# KiCad board control.kicad_pcb (continued)
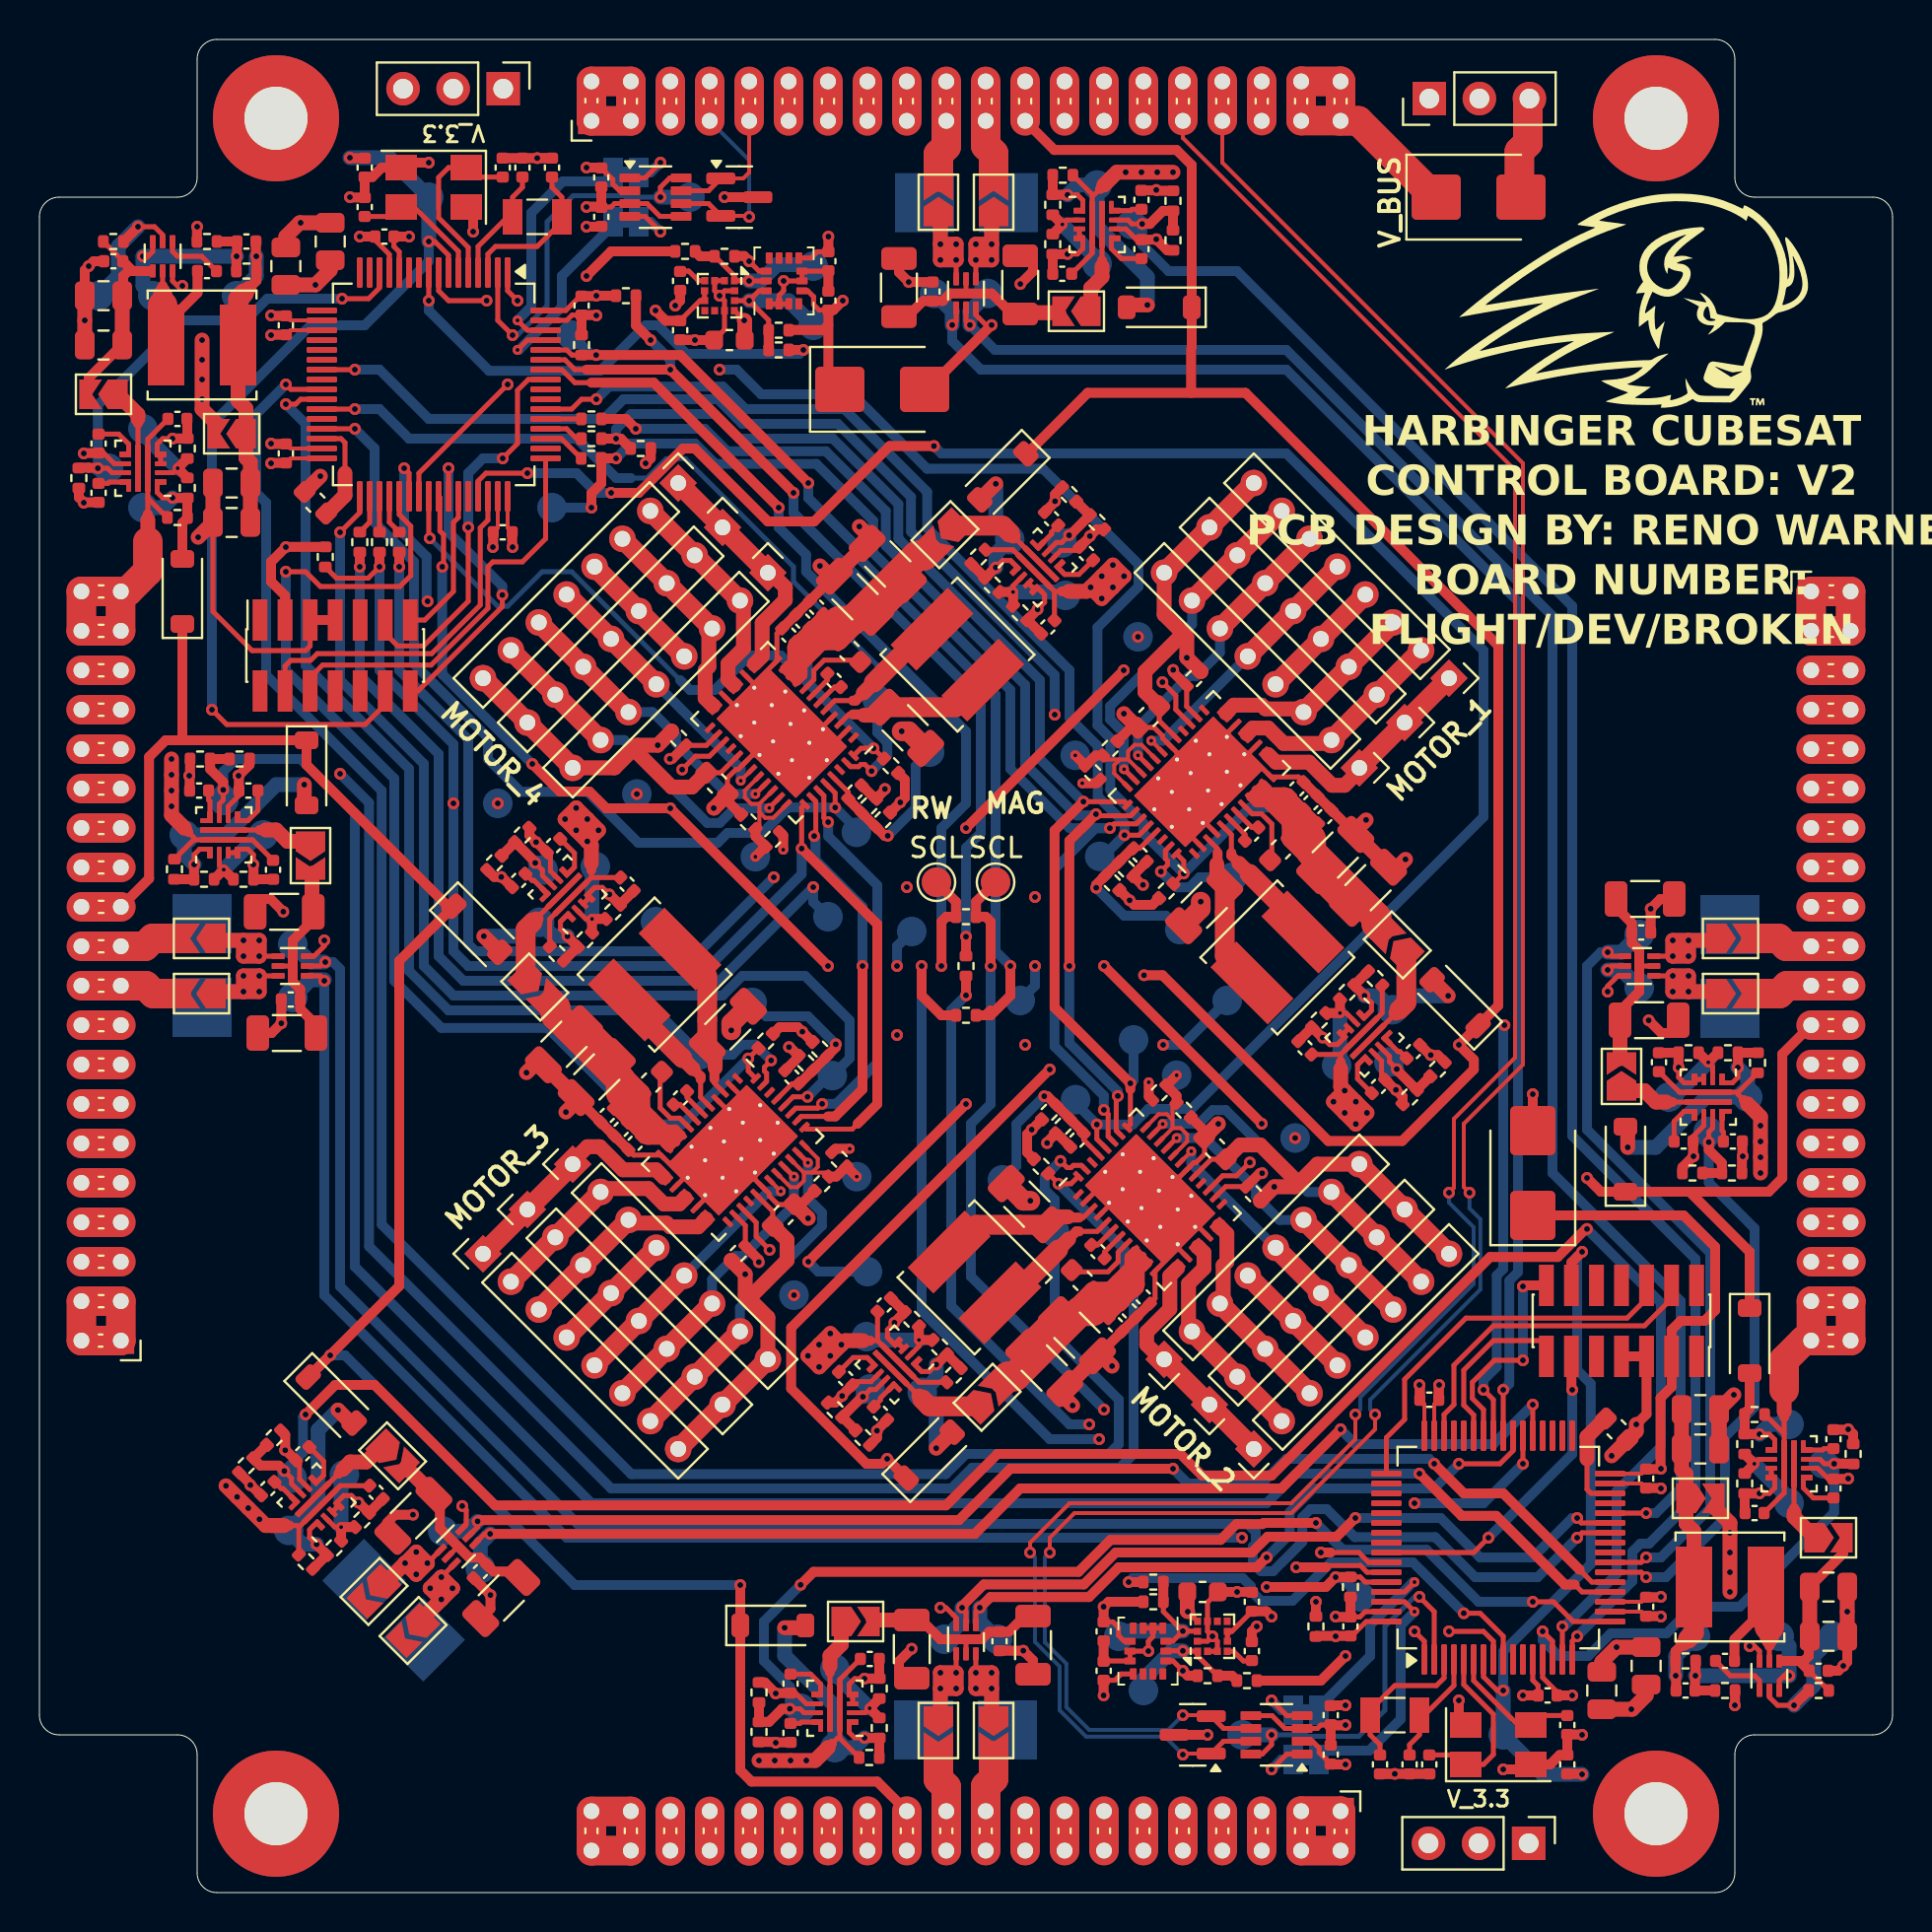
[diagram p0: board, top side]
## Nets (continued)
/REACTION WHEELS/PB13: R11.1 U25.34
/REACTION WHEELS/PB14: R9.1 U25.35
/REACTION WHEELS/PB15: R10.1 U25.36
/REACTION WHEELS/PC0: R19.1 U25.8
/REACTION WHEELS/PC1: R20.1 U25.9
/REACTION WHEELS/PC2: U25.10
/REACTION WHEELS/PC3: U25.11
/REACTION WHEELS/PC4: U25.24
/REACTION WHEELS/PC10: R14.1 U25.51
/REACTION WHEELS/PC11: R12.1 U25.52
/REACTION WHEELS/PC12: R13.1 U25.53
/REACTION WHEELS/PC13: TP95.1 U25.2 U26.8
/REACTION WHEELS/PC14: C113.1 U25.3 Y2.2
/REACTION WHEELS/PC15: C112.1 U25.4 Y2.1
/REACTION WHEELS/PH0: C114.1 U25.5 Y1.1
/REACTION WHEELS/PH1: C115.2 U25.6 Y1.3
/REACTION WHEELS/PH3: R4.2 R99.1 TP94.1 U25.60
/REACTION WHEELS/REACTION_WHEEL_1/BLDC_MOTOR_DRIVER/HALL.A: J8.5 J9.5 J10.5 U4.27
/REACTION WHEELS/REACTION_WHEEL_1/BLDC_MOTOR_DRIVER/HALL.B: J8.7 J9.7 J10.7 U4.31
/REACTION WHEELS/REACTION_WHEEL_1/BLDC_MOTOR_DRIVER/HALL.C: J8.6 J9.6 J10.6 U4.29
/REACTION WHEELS/REACTION_WHEEL_1/BLDC_MOTOR_DRIVER/HALL.N: R24.2 R25.1 TP17.1 U4.28 U4.30 U4.32
/REACTION WHEELS/REACTION_WHEEL_1/BLDC_MOTOR_DRIVER/ILIM: C10.1 R26.2 R27.1 TP18.1 U4.37
/REACTION WHEELS/REACTION_WHEEL_1/BLDC_MOTOR_DRIVER/MOTOR.A: J8.1 J9.1 J10.1 U4.13 U4.14
/REACTION WHEELS/REACTION_WHEEL_1/BLDC_MOTOR_DRIVER/MOTOR.B: J8.2 J9.2 J10.2 U4.16 U4.17
/REACTION WHEELS/REACTION_WHEEL_1/BLDC_MOTOR_DRIVER/MOTOR.C: J8.3 J9.3 J10.3 U4.19 U4.20
/REACTION WHEELS/REACTION_WHEEL_1/BLDC_MOTOR_DRIVER/V_AVDD: C18.1 J8.8 J9.8 J10.8 R24.1 R26.1 R28.1 R29.1 U4.25
/REACTION WHEELS/REACTION_WHEEL_1/BLDC_MOTOR_DRIVER/V_IN: C9.2 C11.2 C12.2 C13.1 C14.1 C16.1 JP13.2 U4.9 U4.10 U4.11
/REACTION WHEELS/REACTION_WHEEL_1/EFUSE_LATCHED/DVDT: C3.1 U1.7
/REACTION WHEELS/REACTION_WHEEL_1/EFUSE_LATCHED/I_LIM: R46.2 R47.2 TP3.1 U1.9
/REACTION WHEELS/REACTION_WHEEL_1/EFUSE_LATCHED/ITIMER: C2.1 U1.10
/REACTION WHEELS/REACTION_WHEEL_1/EFUSE_LATCHED/OVLO: R7.2 R8.1 TP2.1 U1.2
/REACTION WHEELS/REACTION_WHEEL_1/EFUSE_LATCHED/UVLO: D10.2 R6.2 R7.1 TP1.1 U1.1
/REACTION WHEELS/REACTION_WHEEL_1/EFUSE_LATCHED/V_OUT: JP13.1 U1.6
/REACTION WHEELS/REACTION_WHEEL_2/BLDC_MOTOR_DRIVER/HALL.A: J5.5 J6.5 J7.5 U12.27
/REACTION WHEELS/REACTION_WHEEL_2/BLDC_MOTOR_DRIVER/HALL.B: J5.7 J6.7 J7.7 U12.31
/REACTION WHEELS/REACTION_WHEEL_2/BLDC_MOTOR_DRIVER/HALL.C: J5.6 J6.6 J7.6 U12.29
/REACTION WHEELS/REACTION_WHEEL_2/BLDC_MOTOR_DRIVER/HALL.N: R52.2 R53.1 TP44.1 U12.28 U12.30 U12.32
/REACTION WHEELS/REACTION_WHEEL_2/BLDC_MOTOR_DRIVER/ILIM: C40.1 R54.2 R55.1 TP45.1 U12.37
/REACTION WHEELS/REACTION_WHEEL_2/BLDC_MOTOR_DRIVER/MOTOR.A: J5.1 J6.1 J7.1 U12.13 U12.14
/REACTION WHEELS/REACTION_WHEEL_2/BLDC_MOTOR_DRIVER/MOTOR.B: J5.2 J6.2 J7.2 U12.16 U12.17
/REACTION WHEELS/REACTION_WHEEL_2/BLDC_MOTOR_DRIVER/MOTOR.C: J5.3 J6.3 J7.3 U12.19 U12.20
/REACTION WHEELS/REACTION_WHEEL_2/BLDC_MOTOR_DRIVER/V_AVDD: C48.1 J5.8 J6.8 J7.8 R52.1 R54.1 R56.1 R57.1 U12.25
/REACTION WHEELS/REACTION_WHEEL_2/BLDC_MOTOR_DRIVER/V_IN: C39.2 C41.2 C42.2 C43.1 C44.1 C46.1 JP12.2 U12.9 U12.10 U12.11
/REACTION WHEELS/REACTION_WHEEL_2/EFUSE_LATCHED/DVDT: C36.1 U10.7
/REACTION WHEELS/REACTION_WHEEL_2/EFUSE_LATCHED/I_LIM: R41.2 R42.2 TP41.1 U10.9
/REACTION WHEELS/REACTION_WHEEL_2/EFUSE_LATCHED/ITIMER: C35.1 U10.10
/REACTION WHEELS/REACTION_WHEEL_2/EFUSE_LATCHED/OVLO: R44.2 R45.1 TP40.1 U10.2
/REACTION WHEELS/REACTION_WHEEL_2/EFUSE_LATCHED/UVLO: D9.2 R43.2 R44.1 TP39.1 U10.1
/REACTION WHEELS/REACTION_WHEEL_2/EFUSE_LATCHED/V_OUT: JP12.1 U10.6
/REACTION WHEELS/REACTION_WHEEL_3/BLDC_MOTOR_DRIVER/HALL.A: J11.5 J12.5 J13.5 U14.27
/REACTION WHEELS/REACTION_WHEEL_3/BLDC_MOTOR_DRIVER/HALL.B: J11.7 J12.7 J13.7 U14.31
/REACTION WHEELS/REACTION_WHEEL_3/BLDC_MOTOR_DRIVER/HALL.C: J11.6 J12.6 J13.6 U14.29
/REACTION WHEELS/REACTION_WHEEL_3/BLDC_MOTOR_DRIVER/HALL.N: R63.2 R64.1 TP53.1 U14.28 U14.30 U14.32
/REACTION WHEELS/REACTION_WHEEL_3/BLDC_MOTOR_DRIVER/ILIM: C53.1 R65.2 R66.1 TP54.1 U14.37
/REACTION WHEELS/REACTION_WHEEL_3/BLDC_MOTOR_DRIVER/MOTOR.A: J11.1 J12.1 J13.1 U14.13 U14.14
/REACTION WHEELS/REACTION_WHEEL_3/BLDC_MOTOR_DRIVER/MOTOR.B: J11.2 J12.2 J13.2 U14.16 U14.17
/REACTION WHEELS/REACTION_WHEEL_3/BLDC_MOTOR_DRIVER/MOTOR.C: J11.3 J12.3 J13.3 U14.19 U14.20
/REACTION WHEELS/REACTION_WHEEL_3/BLDC_MOTOR_DRIVER/V_AVDD: C61.1 J11.8 J12.8 J13.8 R63.1 R65.1 R67.1 R68.1 U14.25
/REACTION WHEELS/REACTION_WHEEL_3/BLDC_MOTOR_DRIVER/V_IN: C52.2 C54.2 C55.2 C56.1 C57.1 C59.1 JP14.2 U14.9 U14.10 U14.11
/REACTION WHEELS/REACTION_WHEEL_3/EFUSE_LATCHED/DVDT: C51.1 U13.7
/REACTION WHEELS/REACTION_WHEEL_3/EFUSE_LATCHED/I_LIM: R58.2 R59.2 TP52.1 U13.9
/REACTION WHEELS/REACTION_WHEEL_3/EFUSE_LATCHED/ITIMER: C50.1 U13.10
/REACTION WHEELS/REACTION_WHEEL_3/EFUSE_LATCHED/OVLO: R61.2 R62.1 TP51.1 U13.2
/REACTION WHEELS/REACTION_WHEEL_3/EFUSE_LATCHED/UVLO: D11.2 R60.2 R61.1 TP50.1 U13.1
/REACTION WHEELS/REACTION_WHEEL_3/EFUSE_LATCHED/V_OUT: JP14.1 U13.6
/REACTION WHEELS/REACTION_WHEEL_4/BLDC_MOTOR_DRIVER/HALL.A: J14.5 J15.5 J16.5 U17.27
/REACTION WHEELS/REACTION_WHEEL_4/BLDC_MOTOR_DRIVER/HALL.B: J14.7 J15.7 J16.7 U17.31
/REACTION WHEELS/REACTION_WHEEL_4/BLDC_MOTOR_DRIVER/HALL.C: J14.6 J15.6 J16.6 U17.29
/REACTION WHEELS/REACTION_WHEEL_4/BLDC_MOTOR_DRIVER/HALL.N: R74.2 R75.1 TP64.1 U17.28 U17.30 U17.32
/REACTION WHEELS/REACTION_WHEEL_4/BLDC_MOTOR_DRIVER/ILIM: C69.1 R76.2 R77.1 TP65.1 U17.37
/REACTION WHEELS/REACTION_WHEEL_4/BLDC_MOTOR_DRIVER/MOTOR.A: J14.1 J15.1 J16.1 U17.13 U17.14
/REACTION WHEELS/REACTION_WHEEL_4/BLDC_MOTOR_DRIVER/MOTOR.B: J14.2 J15.2 J16.2 U17.16 U17.17
/REACTION WHEELS/REACTION_WHEEL_4/BLDC_MOTOR_DRIVER/MOTOR.C: J14.3 J15.3 J16.3 U17.19 U17.20
/REACTION WHEELS/REACTION_WHEEL_4/BLDC_MOTOR_DRIVER/V_AVDD: C77.1 J14.8 J15.8 J16.8 R74.1 R76.1 R78.1 R79.1 U17.25
/REACTION WHEELS/REACTION_WHEEL_4/BLDC_MOTOR_DRIVER/V_IN: C68.2 C70.2 C71.2 C72.1 C73.1 C75.1 JP15.2 U17.9 U17.10 U17.11
/REACTION WHEELS/REACTION_WHEEL_4/EFUSE_LATCHED/DVDT: C64.1 U15.7
/REACTION WHEELS/REACTION_WHEEL_4/EFUSE_LATCHED/I_LIM: R69.2 R70.2 TP61.1 U15.9
/REACTION WHEELS/REACTION_WHEEL_4/EFUSE_LATCHED/ITIMER: C63.1 U15.10
/REACTION WHEELS/REACTION_WHEEL_4/EFUSE_LATCHED/OVLO: R72.2 R73.1 TP60.1 U15.2
/REACTION WHEELS/REACTION_WHEEL_4/EFUSE_LATCHED/UVLO: D12.2 R71.2 R72.1 TP59.1 U15.1
/REACTION WHEELS/REACTION_WHEEL_4/EFUSE_LATCHED/V_OUT: JP15.1 U15.6
/REACTION WHEELS/SPI_2.CLK: R11.2 TP6.1 U14.35 U17.35
/REACTION WHEELS/SPI_2.MISO: R9.2 R15.2 TP4.1 U14.33 U17.33
/REACTION WHEELS/SPI_2.MOSI: R10.2 TP5.1 U14.34 U17.34
/REACTION WHEELS/SPI_3.CLK: R14.2 TP9.1 U4.35 U12.35
/REACTION WHEELS/SPI_3.MISO: R12.2 R16.2 TP7.1 U4.33 U12.33
/REACTION WHEELS/SPI_3.MOSI: R13.2 TP8.1 U4.34 U12.34
/REACTION WHEELS/V_3.3: C25.1 C26.1 C37.1 C38.1 C103.1 C105.1 C106.1 C107.1 C108.1 C109.1 C110.1 C116.1 C117.1 D2.1 J18.2 J19.3 JP22.2 R1.1 R15.1 R16.1 R17.2 R18.2 U7.5 U7.6 U7.10 U11.5 U11.8 U11.12 U25.1 U25.13 U25.19 U25.32 U25.48 U25.64 U26.3 U26.5
/SHUTDOWN: D3.1 D4.1 D5.1 D7.1 D8.1 D9.1 D10.1 D11.1 D12.1 D13.1 D14.1 J1.23 J1.24 J2.23 J2.24 J3.23 J3.24 J4.23 J4.24
/V_BUS: C1.1 C22.1 C31.1 C34.1 C49.1 C62.1 C78.1 C84.1 C87.1 C93.1 C118.1 D1.1 J1.37 J1.38 J1.39 J1.40 J2.37 J2.38 J2.39 J2.40 J3.37 J3.38 J3.39 J3.40 J4.37 J4.38 J4.39 J4.40 J17.2 R6.1 R30.1 R35.1 R43.1 R60.1 R71.1 R80.1 R85.1 R88.1 R93.1 R100.1 U1.5 U6.5 U9.5 U10.5 U13.5 U15.5 U18.5 U20.5 U21.5 U23.5 U27.5
/V_GND: C1.2 C2.2 C3.2 C4.2 C5.2 C6.2 C7.2 C8.2 C9.1 C10.2 C11.1 C12.1 C13.2 C14.2 C15.1 C18.2 C19.2 C20.2 C21.2 C22.2 C23.2 C24.2 C25.2 C26.2 C27.2 C28.2 C29.2 C30.2 C31.2 C32.2 C33.2 C34.2 C35.2 C36.2 C37.2 C38.2 C39.1 C40.2 C41.1 C42.1 C43.2 C44.2 C45.1 C48.2 C49.2 C50.2 C51.2 C52.1 C53.2 C54.1 C55.1 C56.2 C57.2 C58.1 C61.2 C62.2 C63.2 C64.2 C65.2 C66.2 C67.2 C68.1 C69.2 C70.1 C71.1 C72.2 C73.2 C74.1 C77.2 C78.2 C79.2 C80.2 C81.2 C82.2 C83.2 C84.2 C85.2 C86.2 C87.2 C88.2 C89.2 C90.2 C91.2 C92.2 C93.2 C94.2 C95.2 C98.2 C99.2 C100.2 C101.2 C102.2 C103.2 C104.2 C105.2 C106.2 C107.2 C108.2 C109.2 C110.2 C111.2 C112.2 C113.2 C114.2 C115.1 C116.2 C117.2 C118.2 C119.2 C120.2 C123.2 C124.2 C125.2 C126.2 C127.2 C128.2 C129.2 C130.2 C131.2 C132.2 C133.2 C134.2 C135.2 C136.2 C137.2 C138.2 C139.2 C140.1 C141.2 C142.2 D1.2 D2.2 D6.2 D15.3 D16.3 H1.1 H2.1 H3.1 H4.1 J1.5 J1.6 J1.35 J1.36 J2.5 J2.6 J2.35 J2.36 J3.5 J3.6 J3.35 J3.36 J4.5 J4.6 J4.35 J4.36 J5.4 J6.4 J7.4 J8.4 J9.4 J10.4 J11.4 J12.4 J13.4 J14.4 J15.4 J16.4 J17.1 J17.3 J18.1 J18.3 J19.5 J19.7 J20.1 J20.3 J21.5 J21.7 R8.2 R21.1 R22.1 R23.1 R25.2 R27.2 R32.2 R33.1 R34.1 R37.2 R38.1 R39.1 R40.1 R41.1 R42.1 R45.2 R46.1 R47.1 R53.2 R55.2 R58.1 R59.1 R62.2 R64.2 R66.2 R69.1 R70.1 R73.2 R75.2 R77.2 R82.2 R83.1 R84.1 R87.2 R90.2 R91.1 R92.1 R95.2 R98.2 R99.2 R102.2 R105.2 R106.2 U1.3 U1.4 U1.8 U2.1 U2.2 U2.3 U2.6 U2.7 U3.2 U3.3 U3.9 U3.12 U4.2 U4.4 U4.12 U4.15 U4.18 U4.26 U4.41 U5.3 U6.3 U6.4 U6.8 U7.2 U7.3 U7.9 U7.12 U8.3 U9.3 U9.4 U9.8 U10.3 U10.4 U10.8 U11.1 U11.2 U11.3 U11.6 U11.7 U12.2 U12.4 U12.12 U12.15 U12.18 U12.26 U12.41 U13.3 U13.4 U13.8 U14.2 U14.4 U14.12 U14.15 U14.18 U14.26 U14.41 U15.3 U15.4 U15.8 U16.3 U17.2 U17.4 U17.12 U17.15 U17.18 U17.26 U17.41 U18.3 U18.4 U18.8 U19.3 U20.3 U20.4 U20.8 U21.3 U21.4 U21.8 U22.3 U23.3 U23.4 U23.8 U24.3 U25.12 U25.18 U25.31 U25.47 U25.63 U26.2 U27.3 U27.4 U27.8 U28.3 U29.12 U29.18 U29.31 U29.47 U29.63 U30.2 Y1.2 Y1.4 Y3.2 Y3.4
Net-(JP23-B): JP23.2 U26.1
Net-(JP24-B): JP24.2 U26.4
Net-(JP26-B): JP26.2 U30.1
Net-(JP27-B): JP27.2 U30.4
Net-(U3-C1): C8.1 U3.4
Net-(U4-CP): C16.2 U4.8
Net-(U4-CPH): C17.1 U4.7
Net-(U4-CPL): C17.2 U4.6
Net-(U4-FB_BK): C15.2 L1.1 U4.3
Net-(U4-SW_BK): L1.2 U4.5
Net-(U7-C1): C27.1 U7.4
Net-(U12-CP): C46.2 U12.8
Net-(U12-CPH): C47.1 U12.7
Net-(U12-CPL): C47.2 U12.6
Net-(U12-FB_BK): C45.2 L2.1 U12.3
Net-(U12-SW_BK): L2.2 U12.5
Net-(U14-CP): C59.2 U14.8
Net-(U14-CPH): C60.1 U14.7
Net-(U14-CPL): C60.2 U14.6
Net-(U14-FB_BK): C58.2 L3.1 U14.3
Net-(U14-SW_BK): L3.2 U14.5
Net-(U17-CP): C75.2 U17.8
Net-(U17-CPH): C76.1 U17.7
Net-(U17-CPL): C76.2 U17.6
Net-(U17-FB_BK): C74.2 L4.1 U17.3
Net-(U17-SW_BK): L4.2 U17.5
Net-(U24-BST): C96.1 U24.4
Net-(U24-EN): R97.2 TP90.1 U24.5
Net-(U28-BST): C121.1 U28.4
Net-(U28-EN): R104.2 TP99.1 U28.5

Pads without a net: J19 1 2 8 9 10; J21 1 2 8 9 10; U2 10 11; U4 1 24; U11 10 11; U12 1 24; U14 1 24; U17 1 24

## Via types
v1: diameter 0.6, hole 0.3, Top to Bottom, 477 vias
v2: diameter 0.5, hole 0.2, Top to Bottom, 35 vias

## Routing (per net, layer and track width the routed paths; a pad name or vN(x,y) marks a point on that pad's centre or on a via; arc(x,y) is an arc through that point)
/A.SCL: length 47.7
  Top w0.25: 28,76.59 27.16,76.59 26.51,77.24 25.68,77.24
  Top w0.5: v1(37.5,70.25) 31.16,76.59 28,76.59 ; 46.5,49.5 46.01,49.5 45.76,49.25 45.76,47 ; 46.48,49.49 R3.2 46.49,50.26 TP13.1
  Bottom w0.5: v1(45.75,47) 45.75,53.99 47,55.24 47,58.9 38.89,67.01 38.89,67.86 37.5,69.25 v1(37.5,70.25)
/A.SDA: length 53.8
  Top w0.25: U25.59 26.66,77.75 27.16,77.25 27.75,77.25
  Top w0.5: v1(47,48.49) 47,47.5 ; v1(31,78.75) 30.26,79.49 R1.2 ; 27.75,77.25 v1(32,77.25) v1(38.25,71)
  In1.Cu w0.5: v1(50.5,47) 49.01,48.49 v1(47,48.49)
  Bottom w0.5: TP14.1 50.5,46 v1(50.5,47) ; v1(38.25,71) 38.25,69.99 47.75,60.49 47.75,53.74 47,52.99 v1(47,48.49) ; v1(32,77.25) 32,77.75 v1(31,78.75)
/B.SCL: length 51.8
  Top w0.25: U29.58 67.43,16.75 66.93,17.25 65.5,17.25
  Top w0.5: TP35.1 47.51,50.26 R3.1 48,49.5 48.25,49.25 v1(48.25,47) ; R5.2 v1(64.75,14.75) ; v1(65,17.25) 65.5,17.25
  In1.Cu w0.5: v1(54,24.5) 57,24.5 64.25,17.25 v1(65,17.25)
  In2.Cu w0.5: v1(65,17.25) 64.75,17 v1(64.75,14.75)
  Bottom w0.5: v1(54,24.5) 47.25,31.25 47.25,39 48.25,40 v1(48.25,47)
/B.SDA: length 58.1
  Top w0.25: 65.25,16.5 65.34,16.59 67,16.59 67.34,16.25 U29.59
  Top w0.5: v1(63.75,16.5) 65.25,16.5 ; v1(47,45.51) 47,46.5 v1(47,45.51)
  In1.Cu w0.5: v1(63.75,16.5) 56.5,23.75 v1(53.25,23.75) ; v1(43.5,47) 44.99,45.51 v1(47,45.51)
  In2.Cu w0.5: v1(43.5,47) 44.99,45.51 v1(47,45.51)
  Bottom w0.5: 43.5,48 TP36.1 43.5,48 ; 43.5,48 v1(43.5,47) 43.5,48 ; v1(53.25,23.75) 52.25,23.75 46.25,29.75 46.25,44.76 v1(47,45.51)
/CAN_A.H: length 8.5
  Top w0.2: J2.9 36,87.25 35.7,86.95 D15.1
  Top w0.25: D15.1 33.94,86.33 U26.7
  Top w1.5: J2.9 J2.10
/CAN_A.L: length 11.4
  Top w0.2: v1(36,85) 35.95,85.05 D15.2
  Top w0.25: U26.6 33.94,85.67 D15.2
  Top w1.5: J2.8 J2.7
  Bottom w0.2: J2.7 36,87.87 v1(36,85)
/CAN_B.H: length 119
  Top w0.2: v1(50.25,17.25) 50.25,17.75 52.25,19.75 63.5,19.75 66.75,23 v1(66.75,24.25) ; 58,89.88 58,89 74.85,72.15 74.85,42.35 71.75,39.25 71.75,35.75 v1(71.5,35.5) ; D16.1 58.05,7.05 v1(58,7)
  Top w0.25: D16.1 60.06,7.67 U30.7
  Top w1.5: 58,89.88 58,91.88
  Bottom w0.2: v1(66.75,24.25) 67,24.5 67,25.12 72.75,30.88 72.75,33.75 71.5,35 v1(71.5,35.5) ; v1(58,7) 57.09,7.91 53.09,7.91 51.75,9.25 51.75,11.47 50.5,12.72 50.5,17 v1(50.25,17.25)
/CAN_B.L: length 117.1
  Top w0.2: v1(51.25,17.25) 51.25,18 52.5,19.25 63.5,19.25 67.75,23.5 v1(67.75,24.25) ; D16.2 59.39,9 v1(58,9) ; v1(72.54,35.5) 72.25,35.79 72.25,39 75.25,42 75.25,72.5 60,87.75 60,89.88
  Top w0.25: U30.6 60.06,8.33 D16.2
  Top w1.5: 60,89.88 60,91.88
  Bottom w0.2: v1(58,9) 57.25,8.25 53.25,8.25 52.09,9.41 52.09,11.61 51,12.7 51,17 v1(51.25,17.25) ; v1(67.75,24.25) 67.5,24.5 67.5,25 73.09,30.59 73.09,34.16 72.54,34.71 v1(72.54,35.5)
/CONNECTOR_X+/GPIO: length 2
  Top w1.5: J2.29 J2.30
/CONNECTOR_X+/I2C.SCL: length 2
  Top w1.5: J2.16 J2.15
/CONNECTOR_X+/I2C.SDA: length 2
  Top w1.5: J2.13 J2.14
/CONNECTOR_X+/RESERVED: length 2
  Top w1.5: J2.17 J2.18
/CONNECTOR_X+/USB.DM: length 2
  Top w1.5: J2.28 J2.27
/CONNECTOR_X+/USB.DP: length 2
  Top w1.5: J2.25 J2.26
/CONNECTOR_X+/V_3.3: length 2
  Top w1.5: J2.12 J2.11
/CONNECTOR_X+/V_SOLAR: length 8
  Top w1.5: J2.4 J2.2 J2.1 J2.3 J2.4
/CONNECTOR_X-/CAN_A.H: length 2
  Top w1.5: J1.9 J1.10
/CONNECTOR_X-/CAN_A.L: length 2
  Top w1.5: J1.8 J1.7
/CONNECTOR_X-/CAN_B.H: length 2
  Top w1.5: 36,4.12 36,2.12
/CONNECTOR_X-/CAN_B.L: length 2
  Top w1.5: 34,4.12 34,2.12
/CONNECTOR_X-/GPIO: length 2
  Top w1.5: J1.29 J1.30
/CONNECTOR_X-/I2C.SCL: length 2
  Top w1.5: J1.16 J1.15
/CONNECTOR_X-/I2C.SDA: length 2
  Top w1.5: J1.13 J1.14
/CONNECTOR_X-/RESERVED: length 2
  Top w1.5: J1.17 J1.18
/CONNECTOR_X-/USB.DM: length 2
  Top w1.5: J1.28 J1.27
/CONNECTOR_X-/USB.DP: length 2
  Top w1.5: J1.25 J1.26
/CONNECTOR_X-/V_3.3: length 2
  Top w1.5: J1.12 J1.11
/CONNECTOR_X-/V_SOLAR: length 8
  Top w1.5: J1.4 J1.2 J1.1 J1.3 J1.4
/CONNECTOR_Y+/CAN_A.H: length 2
  Top w1.5: J3.9 J3.10
/CONNECTOR_Y+/CAN_A.L: length 2
  Top w1.5: J3.8 J3.7
/CONNECTOR_Y+/CAN_B.H: length 2
  Top w1.5: 4.12,58 2.12,58
/CONNECTOR_Y+/CAN_B.L: length 2
  Top w1.5: 4.12,60 2.12,60
/CONNECTOR_Y+/GPIO: length 2
  Top w1.5: J3.29 J3.30
/CONNECTOR_Y+/I2C.SCL: length 2
  Top w1.5: J3.16 J3.15
/CONNECTOR_Y+/I2C.SDA: length 2
  Top w1.5: J3.13 J3.14
/CONNECTOR_Y+/RESERVED: length 2
  Top w1.5: J3.17 J3.18
/CONNECTOR_Y+/USB.DM: length 2
  Top w1.5: J3.28 J3.27
/CONNECTOR_Y+/USB.DP: length 2
  Top w1.5: J3.25 J3.26
/CONNECTOR_Y+/V_3.3: length 2
  Top w1.5: J3.12 J3.11
/CONNECTOR_Y+/V_SOLAR: length 8
  Top w1.5: J3.1 J3.2 J3.4 J3.3 J3.1
/CONNECTOR_Y-/CAN_A.H: length 2
  Top w1.5: J4.9 J4.10
/CONNECTOR_Y-/CAN_A.L: length 2
  Top w1.5: J4.8 J4.7
/CONNECTOR_Y-/CAN_B.H: length 2
  Top w1.5: 89.88,36 91.88,36
/CONNECTOR_Y-/CAN_B.L: length 2
  Top w1.5: 89.88,34 91.88,34
/CONNECTOR_Y-/GPIO: length 2
  Top w1.5: J4.29 J4.30
/CONNECTOR_Y-/I2C.SCL: length 2
  Top w1.5: J4.16 J4.15
/CONNECTOR_Y-/I2C.SDA: length 2
  Top w1.5: J4.13 J4.14
/CONNECTOR_Y-/RESERVED: length 2
  Top w1.5: J4.17 J4.18
/CONNECTOR_Y-/USB.DM: length 2
  Top w1.5: J4.28 J4.27
/CONNECTOR_Y-/USB.DP: length 2
  Top w1.5: J4.25 J4.26
/CONNECTOR_Y-/V_3.3: length 2
  Top w1.5: J4.12 J4.11
/CONNECTOR_Y-/V_SOLAR: length 8
  Top w1.5: J4.1 J4.2 J4.4 J4.3 J4.1
/MAGNET_X+.+: length 4.9
  Top w1.5: J2.20 J2.19 ; 45.6,87.03 45.6,88.18 46,88.58 46,89.71
/MAGNET_X+.-: length 4.9
  Top w1.5: 48.4,87.06 48.4,88.21 48,88.61 48,89.75 ; J2.21 J2.22
/MAGNET_X-.+: length 4.9
  Top w1.5: J1.20 J1.19 ; 48.4,6.94 48.4,5.79 48,5.39 48,4.25
/MAGNET_X-.-: length 4.9
  Top w1.5: J1.21 J1.22 ; 46,4.21 46,5.35 45.6,5.75 45.6,6.9
/MAGNET_Y+.+: length 4.9
  Top w1.5: J3.20 J3.19 ; 4.25,46 5.39,46 5.79,45.6 6.94,45.6
/MAGNET_Y+.-: length 4.9
  Top w1.5: 4.21,48 5.35,48 5.75,48.4 6.9,48.4 ; J3.21 J3.22
/MAGNET_Y-.+: length 4.9
  Top w1.5: J4.20 J4.19 ; 89.75,48 88.61,48 88.21,48.4 87.06,48.4
/MAGNET_Y-.-: length 4.9
  Top w1.5: 89.79,46 88.65,46 88.25,45.6 87.1,45.6 ; J4.21 J4.22
/MAGNETORQUERS/COMMAND/EFUSE_LATCHED/DVDT: length 2.1
  Top w0.25: C120.1 89.98,20.02 89.47,20.52 U27.7
/MAGNETORQUERS/COMMAND/EFUSE_LATCHED/ITIMER: length 1.4
  Top w0.25: U27.10 90.45,22.45 90.52,22.52 C119.1
/MAGNETORQUERS/COMMAND/EFUSE_LATCHED/OVLO: length 5.1
  Top w0.25: v2(86.99,21.75) 87.22,21.98 U27.2
  Top w0.5: R102.1 v2(86.99,21.75) R101.2
  Bottom w0.75: v2(86.99,21.75) 88.75,19.99 TP97.1
/MAGNETORQUERS/COMMAND/EFUSE_LATCHED/UVLO: length 6.9
  Top w0.25: v1(87.25,23.25) 87.75,23.25 88.03,22.98 U27.1
  Top w0.5: 86.75,26.36 86.75,24.56 86.5,24.31 86.5,24.26 ; 86.5,24.3 R101.1 87.24,23.26 v1(87.25,23.25)
  Bottom w0.75: v1(87.25,23.25) 87.75,23.75 TP96.1
/MAGNETORQUERS/COMMAND/EFUSE_LATCHED/V_OUT: length 4.2
  Top w0.25: 89,21.78 89,19.52 89,19.51
  Top w0.5: 89,19.26 89,19.51
  Top w0.75: 89,19.26 89,19.05 90.03,18.03
/MAGNETORQUERS/COMMAND/MCU/VCAP: length 5.3
  Top w0.25: U29.30 78.7,20.25 78.5,20.45 78.5,22
  Top w0.75: 78.5,22 78.5,23.12 79.42,24.05 ; 79.45,23.95 C136.1
/MAGNETORQUERS/COMMAND/SMPS(3.3V)/SMPS/FB: length 10.6
  Top w0.25: U28.6 88.25,10.75 88.5,11 v1(88.75,11)
  Top w0.5: R103.2 84.01,11.01 v1(84,11) 83.98,10.98 C122.1 R105.1
  Bottom w0.75: TP101.1 88.75,12.5 v1(88.75,11) v1(84,11)
/MAGNETORQUERS/COMMAND/SMPS(3.3V)/SMPS/SW: length 10.1
  Top w0.25: U28.2 87.75,12.5
  Top w0.5: C121.2 85.98,12.85 87.58,14.45 L7.1 ; 87.75,12.75 87.75,12.5
  Top w0.75: 87.75,13 87.75,12.75
  Top w1: 87.75,13 87.75,15.32
  Top w1.5: 87.75,13.5 87.75,15.32 L7.1
/MAGNETORQUERS/COMMAND/SMPS(3.3V)/SMPS/V_OUT: length 17.4
  Top w0.5: 82.99,10.28 C122.2 83.02,10.98 v1(83,11) 82.99,11.01 R103.1 82.99,12.24 83.38,12.62
  Top w0.75: L7.2 83.92,18.32 83.53,18.73 JP25.1 83.53,21.23 83.3,21.45 C126.1 C127.1 ; 83.62,12.88 83.38,12.62
  Top w1: 83.62,12.88 83.92,13.17 L7.2
  Bottom w0.75: v1(83,11) 83,12 TP100.1
/MAGNETORQUERS/COMMAND/SMPS(3.3V)/V_IN: length 9.9
  Top w0.25: R104.1 89.77,11.24 C123.1 89.76,11.24
  Top w0.5: 89.27,11.75 88.35,11.75 ; 89.27,11.75 C123.1 ; 89.27,11.75 89.5,11.75 89.75,12 89.75,12.95 C124.1 ; 91.5,17.53 91.5,17.21 89.8,15.51
  Top w0.75: C124.1 C125.1
/MAGNETORQUERS/COMMAND/SWD.NRST: length 36.4
  Top w0.25: v1(74.25,10.25) 73.94,10.25 73.25,10.94 U29.7
  Top w0.5: v1(78.25,6) 78.23,6.02 C129.1 ; J21.12 77.71,31.96 v1(78.25,32.5)
  Bottom w0.5: v1(74.25,10.25) 74.25,12.23 78.69,16.67 78.69,25.81 78,26.5 78,32.25 v1(78.25,32.5)
  Bottom w0.75: v1(74.25,10.25) TP102.1 76.25,6 v1(78.25,6)
/MAGNETORQUERS/I2C_3.SCL: length 7.5
  Top w0.25: 58.75,12.25 58.01,12.25 ; R48.1 59.75,11 58.75,12 U3.1 ; v1(58,12.26) 57.14,12.26
  Top w0.5: R48.1 60.49,11 R50.2
  Bottom w0.75: TP42.1 56,10.83 57.43,12.26 v1(58,12.26)
/MAGNETORQUERS/I2C_3.SDA: length 8.1
  Top w0.25: v1(58,13.26) 57.01,14.25 R49.1 ; v1(58,13.26) 57.5,12.76 57.14,12.76 ; v1(58,13.26) 58.74,13.26
  Top w0.5: R49.1 R51.2
  Bottom w0.75: TP43.1 55.01,13.26 v1(58,13.26)
/MAGNETORQUERS/MAGNETORQUER_X+/BRUSHED_DRIVER/OUT_1: length 13.5
  Top w0.25: U22.6 v1(46.5,82.81)
  Top w0.75: v1(46.5,82.81) v1(45.7,83.61) ; v1(46.5,82.81) v1(45.7,82.81) v1(45.7,83.61) ; v1(46.5,82.81) v1(46.5,83.61) v1(45.7,83.61) ; v1(45.7,83.61) 45.7,84.97 45.65,85.02
  Bottom w0.75: v1(46.5,82.81) v1(45.7,83.61) ; v1(46.5,82.81) v1(45.7,82.81) v1(45.7,83.61) ; v1(46.5,82.81) v1(46.5,83.61) v1(45.7,83.61) ; v1(45.7,83.61) 45.7,84.91 TP85.1
/MAGNETORQUERS/MAGNETORQUER_X+/BRUSHED_DRIVER/OUT_2: length 13.5
  Top w0.25: U22.4 v1(47.5,82.81)
  Top w0.75: v1(48.3,83.61) v1(47.5,83.61) v1(47.5,82.81) ; v1(48.3,83.61) v1(47.5,82.81) ; v1(48.3,83.61) v1(48.3,82.81) v1(47.5,82.81) ; v1(48.3,83.61) 48.3,84.92 JP21.1
  Bottom w0.75: v1(47.5,82.81) v1(48.3,82.81) v1(48.3,83.61) ; v1(47.5,82.81) v1(48.3,83.61) ; v1(47.5,82.81) v1(47.5,83.61) v1(48.3,83.61) ; v1(48.3,83.61) 48.3,84.86 TP86.1
/MAGNETORQUERS/MAGNETORQUER_X+/BRUSHED_DRIVER/V_IN: length 10.2
  Top w0.25: U22.5 47,81.1
  Top w0.5: C91.1 44.02,79.94 44.82,80.73 C90.1 45.82,80.73 46.2,81.11 48.3,81.11 49.56,79.85 49.7,79.85
  Top w0.75: 49.6,79.95 49.6,80.14 51.69,80.14 51.7,80.13
/MAGNETORQUERS/MAGNETORQUER_X+/EFUSE_LATCHED/DVDT: length 2.1
  Top w0.25: C89.1 54.88,82.88 54.38,83.39 U21.7
/MAGNETORQUERS/MAGNETORQUER_X+/EFUSE_LATCHED/ITIMER: length 1.4
  Top w0.25: U21.10 55.35,85.31 55.42,85.38 C88.1
/MAGNETORQUERS/MAGNETORQUER_X+/EFUSE_LATCHED/OVLO: length 5.1
  Top w0.25: U21.2 52.12,84.84 v2(51.89,84.61)
  Top w0.5: R90.1 v2(51.89,84.61) R89.2
  Bottom w0.75: TP81.1 53.65,82.85 v2(51.89,84.61)
/MAGNETORQUERS/MAGNETORQUER_X+/EFUSE_LATCHED/UVLO: length 12.9
  Top w0.25: 52.92,85.49 52.92,85.84 52.65,86.11 v1(52.15,86.11)
  Top w0.5: R88.2 R89.1 52.14,86.12 v1(52.15,86.11)
  Top w0.75: 55.15,80.53 v1(56.2,80.53)
  Bottom w0.75: v1(52.15,86.11) 52.65,86.61 TP80.1 53.65,84.5 56.2,81.95 v1(56.2,80.53)
/MAGNETORQUERS/MAGNETORQUER_X+/EFUSE_LATCHED/V_OUT: length 4.6
  Top w0.25: 53.9,84.59 53.9,82.79
  Top w0.5: 53.9,82.49 53.9,82.79
  Top w0.75: 53.33,80.23 53.33,81.38 53.9,81.95 53.9,82.49
/MAGNETORQUERS/MAGNETORQUER_X-/BRUSHED_DRIVER/OUT_1: length 14.6
  Top w0.25: U5.6 v1(47.5,11.15)
  Top w0.75: v1(48.3,10.35) 48.3,9 48.35,8.95 ; v1(48.3,10.35) v1(47.5,10.35) ; v1(48.3,10.35) v1(48.3,11.15) ; v1(47.5,10.35) v1(48.3,11.15) ; v1(47.5,10.35) v1(47.5,11.15) v1(48.3,11.15)
  Bottom w0.75: v1(47.5,10.35) v1(48.3,11.15) ; v1(47.5,10.35) v1(48.3,10.35) ; v1(47.5,10.35) v1(47.5,11.15) ; v1(48.3,11.15) v1(48.3,10.35) ; v1(48.3,11.15) v1(47.5,11.15) ; v1(48.3,10.35) 48.3,9.05 TP15.1 ; v1(48.3,10.35) v1(47.5,11.15)
/MAGNETORQUERS/MAGNETORQUER_X-/BRUSHED_DRIVER/OUT_2: length 13.5
  Top w0.25: U5.4 v1(46.5,11.15)
  Top w0.75: JP4.1 45.7,9.05 v1(45.7,10.35) ; v1(46.5,10.35) v1(46.5,11.15) v1(45.7,11.15) ; v1(46.5,10.35) v1(45.7,10.35) ; v1(46.5,10.35) v1(45.7,11.15) ; v1(45.7,10.35) v1(45.7,11.15)
  Bottom w0.75: v1(45.7,10.35) 45.7,9.1 TP16.1 ; v1(45.7,10.35) v1(46.5,10.35) v1(46.5,11.15) ; v1(45.7,10.35) v1(45.7,11.15) v1(46.5,11.15) ; v1(45.7,10.35) v1(46.5,11.15)
/MAGNETORQUERS/MAGNETORQUER_X-/BRUSHED_DRIVER/V_IN: length 10.2
  Top w0.25: U5.5 47,12.87
  Top w0.5: C20.1 49.98,14.02 49.18,13.23 C19.1 48.18,13.23 47.8,12.85 45.7,12.85 44.44,14.11 44.3,14.11
  Top w0.75: 42.3,13.84 42.31,13.83 44.4,13.83 44.4,14.01
/MAGNETORQUERS/MAGNETORQUER_X-/EFUSE_LATCHED/DVDT: length 2.1
  Top w0.25: C24.1 39.12,11.08 39.62,10.58 U6.7
/MAGNETORQUERS/MAGNETORQUER_X-/EFUSE_LATCHED/ITIMER: length 1.4
  Top w0.25: C23.1 38.58,8.58 38.65,8.65 U6.10
/MAGNETORQUERS/MAGNETORQUER_X-/EFUSE_LATCHED/OVLO: length 5.1
  Top w0.25: U6.2 41.88,9.12 v2(42.11,9.35)
  Top w0.5: R32.1 v2(42.11,9.35) R31.2
  Bottom w0.75: v2(42.11,9.35) 40.35,11.11 TP26.1
/MAGNETORQUERS/MAGNETORQUER_X-/EFUSE_LATCHED/UVLO: length 12.9
  Top w0.25: v1(41.85,7.85) 41.35,7.85 41.08,8.12 41.08,8.48
  Top w0.5: v1(41.85,7.85) 41.86,7.84 R31.1 R30.2
  Top w0.75: 38.85,13.44 v1(37.8,13.44)
  Bottom w0.75: v1(37.8,13.44) 37.8,12.01 40.35,9.46 TP25.1 41.35,7.35 v1(41.85,7.85)
/MAGNETORQUERS/MAGNETORQUER_X-/EFUSE_LATCHED/V_OUT: length 4.6
  Top w0.25: 40.1,9.38 40.1,11.17
  Top w0.5: 40.1,11.48 40.1,11.17
  Top w0.75: 40.1,11.48 40.1,12.01 40.67,12.59 40.67,13.73
/MAGNETORQUERS/MAGNETORQUER_Y+/BRUSHED_DRIVER/OUT_1: length 13.5
  Top w0.25: U8.6 v1(11.15,46.5)
  Top w0.75: v1(11.15,46.5) v1(10.35,45.7) ; v1(11.15,46.5) v1(10.35,46.5) v1(10.35,45.7) ; v1(11.15,46.5) v1(11.15,45.7) v1(10.35,45.7) ; v1(10.35,45.7) 9,45.7 8.95,45.65
  Bottom w0.75: v1(10.35,45.7) v1(11.15,45.7) v1(11.15,46.5) ; v1(10.35,45.7) v1(11.15,46.5) ; v1(10.35,45.7) 9.05,45.7 TP28.1 ; v1(10.35,45.7) v1(10.35,46.5) v1(11.15,46.5)
/MAGNETORQUERS/MAGNETORQUER_Y+/BRUSHED_DRIVER/OUT_2: length 13.5
  Top w0.25: U8.4 v1(11.15,47.5)
  Top w0.75: v1(10.35,48.3) v1(11.15,48.3) v1(11.15,47.5) ; v1(10.35,48.3) v1(11.15,47.5) ; v1(10.35,48.3) 9.05,48.3 JP7.1 ; v1(10.35,48.3) v1(10.35,47.5) v1(11.15,47.5)
  Bottom w0.75: TP29.1 9.1,48.3 v1(10.35,48.3) ; v1(11.15,48.3) v1(11.15,47.5) v1(10.35,47.5) ; v1(11.15,48.3) v1(10.35,48.3) ; v1(11.15,48.3) v1(10.35,47.5) ; v1(10.35,48.3) v1(10.35,47.5)
/MAGNETORQUERS/MAGNETORQUER_Y+/BRUSHED_DRIVER/V_IN: length 10.2
  Top w0.25: U8.5 12.87,47
  Top w0.5: 14.11,49.7 14.11,49.56 12.85,48.3 12.85,46.2 13.23,45.82 C28.1 13.23,44.82 14.02,44.02 C29.1
  Top w0.75: 14.01,49.6 13.83,49.6 13.83,51.69 13.84,51.7
/MAGNETORQUERS/MAGNETORQUER_Y+/EFUSE_LATCHED/DVDT: length 2.1
  Top w0.25: C33.1 11.08,54.88 10.58,54.38 U9.7
/MAGNETORQUERS/MAGNETORQUER_Y+/EFUSE_LATCHED/ITIMER: length 1.4
  Top w0.25: U9.10 8.65,55.35 8.58,55.42 C32.1
/MAGNETORQUERS/MAGNETORQUER_Y+/EFUSE_LATCHED/OVLO: length 5.1
  Top w0.25: U9.2 9.12,52.12 v2(9.35,51.89)
  Top w0.5: R36.2 v2(9.35,51.89) R37.1